# KiCad board panel.kicad_pcb (continued)
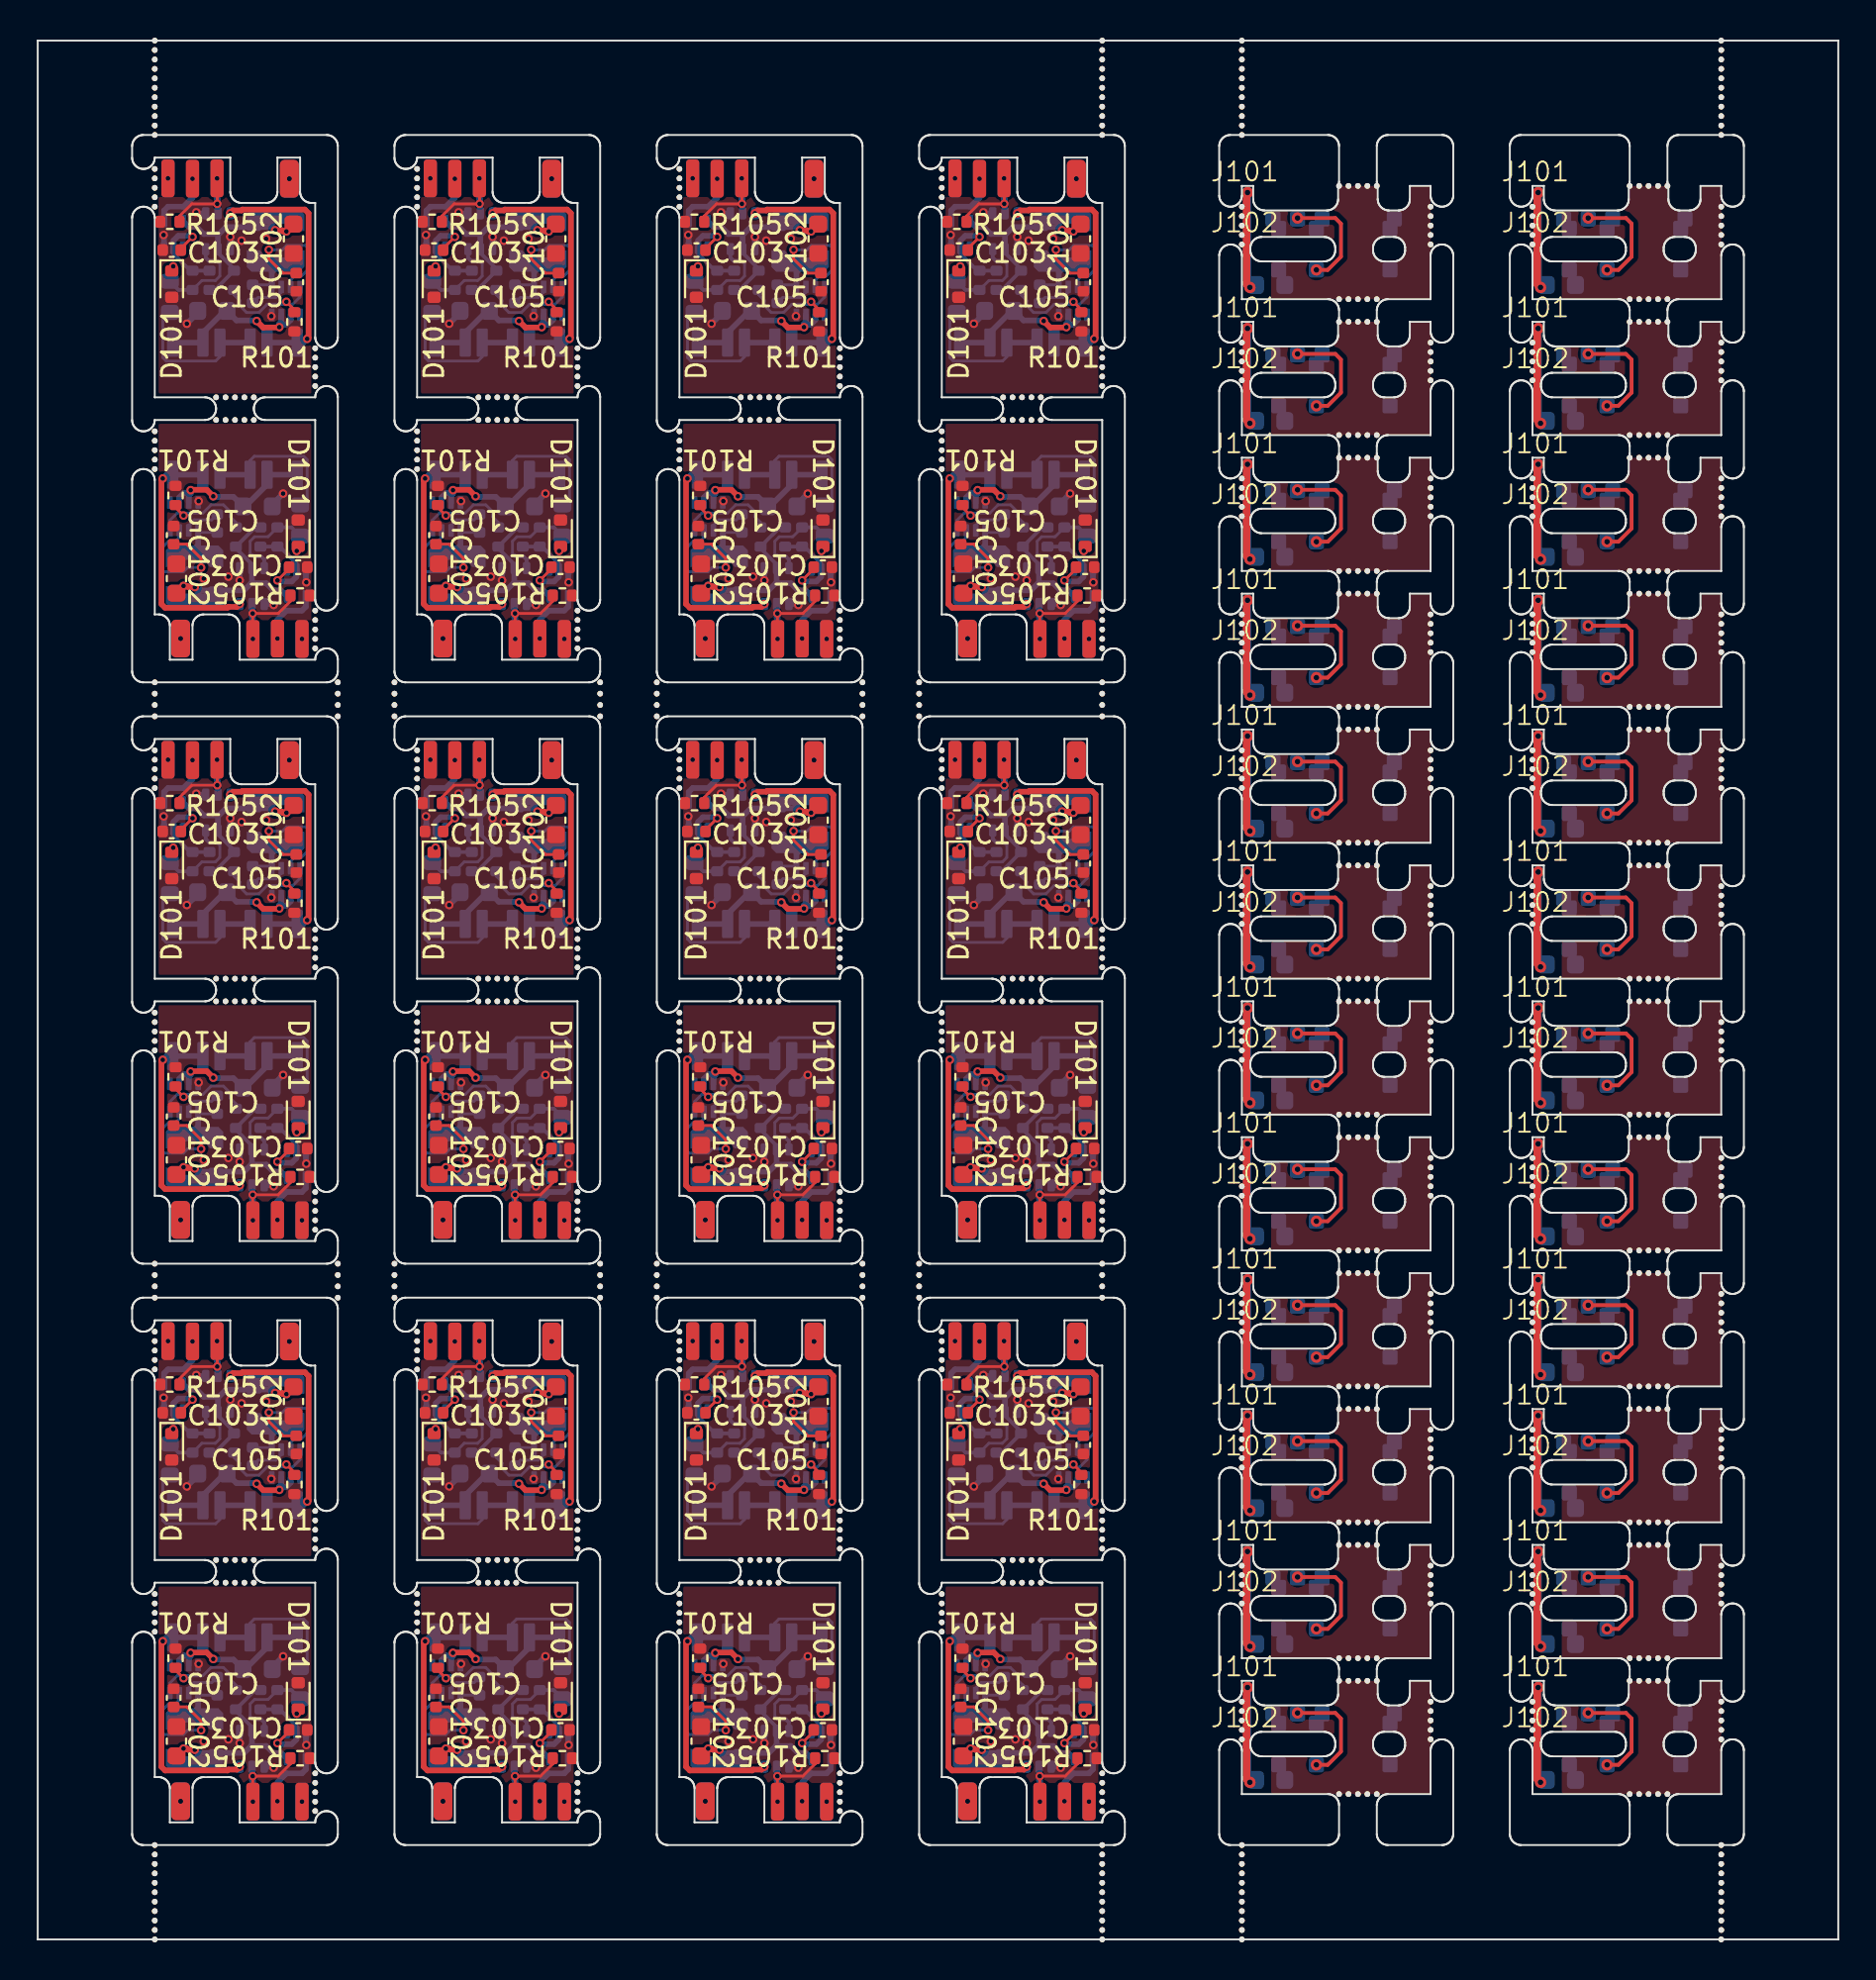
[diagram p0: board, top side]
## Routing (per net, layer and track width the routed paths; a pad name or vN(x,y) marks a point on that pad's centre or on a via; arc(x,y) is an arc through that point) (continued)
Board_0-Board_0-Board_23-/BST: length 2
  Bottom w0.15: U103#9.6 49.7,13.33 49.98,13.61 50.92,13.61 C104#12.1
Board_0-Board_0-Board_23-/DBUS: length 8.1
  Bottom w0.15: R103#7.1 55.98,14.78 55.98,16.79 55.79,16.98 53.18,16.98 52.95,16.75 H102#2.1
  Bottom w0.3: H102#2.1 H102#2.1
Board_0-Board_0-Board_23-/DBUS_R: length 6.3
  Top w0.15: 55.5,12.04 v1(55.42,11.96)
  Bottom w0.15: v1(55.42,11.96) 55.58,11.96 55.6,11.98 R103#7.2 55.56,12.71 ; R102#10.1 53.9,12.71 53.19,12.71 52.95,12.48 52.95,11.81 53.06,11.7 53.15,11.7
  Bottom w0.2: Q102#3.3 53.7,11.5 53.53,11.67 53.13,11.67 53.08,11.72 ; R103#7.2 55.14,13.21 R102#10.1
Board_0-Board_0-Board_23-/FB: length 5.9
  Top w0.15: R101#22.1 49,14.26 v1(49.43,13.84)
  Bottom w0.15: U103#9.8 48.7,13.58 49.09,13.97 50.45,13.97 50.88,14.41 51.54,14.41 51.9,14.04 51.9,13.77 52.2,13.47 R104#16.2
Board_0-Board_0-Board_23-/IN: length 5.1
  Top w0.15: v1(54.4,10.4) 55.02,11.02 C103#11.1
  Bottom w0.2: U102#13.2 55.41,11.3 54.52,12.19 R102#10.2 R106#23.2
  Bottom w0.3: U102#13.2 55.41,10.59 55.16,10.34 54.46,10.34 v1(54.4,10.4)
Board_0-Board_0-Board_23-/IO4: length 5.9
  Top w0.15: R105#6.1 55.09,9.3 54.44,8.65 v1(53.09,8.65) ; 53.09,8.75 v1(53.09,8.65) ; v1(53.09,8.65) 53.09,7.31 v1(53.1,7.3)
  Bottom w0.3: Q102#3.5 53.05,8.45 53.1,8.4 v1(53.1,7.3)
Board_0-Board_0-Board_23-/IO5: length 3.3
  Bottom w0.3: U102#13.4 55.91,9.01 55.7,8.8 54.88,8.8 54.4,8.32 v1(54.4,7.32)
Board_0-Board_0-Board_23-/SW: length 2.3
  Bottom w0.15: U103#9.5 50.31,12.94 C104#12.2
  Bottom w0.3: U103#9.5 50.2,12.27 50,12.07 L101#15.1
Board_0-Board_0-Board_23-/V+: length 8.7
  Top w0.3: v1(49.8,15.18) 49.82,15.2 50.66,15.2 v1(51,14.86)
  Bottom w0.3: U103#9.3 49.7,14.9 49.8,15 v1(49.8,15.18) 49.66,15.04 49.44,15.04 49.2,14.8 U103#9.2 ; H101#24.1 H101#24.1 53.85,15.47 52.7,14.32 C101#22.1 52.07,14.83 51.03,14.83 v1(51,14.86)
Board_0-Board_0-Board_23-/V-: length 13.2
  Top w0.3: v1(48.33,15.8) 48.25,15.73 48.25,9.15 48.45,8.95 51.75,8.95 51.8,9 52.25,9 v1(52.4,9.15)
  Bottom w0.3: v1(48.33,15.8) 48.52,16 H103#12.1 H103#12.1
Board_0-Board_0-Board_23-GND: length 2.9
  Bottom w0.2: v1(50.23,14.6) 50.2,14.57 U103#9.4
  Bottom w0.3: Q102#3.4 54.15,9.15 v1(54.2,9.1) ; v1(54.7,15) 54.13,14.42 C101#22.2 ; v1(55.93,10.3) 55.91,10.32 U102#13.3 ; Q102#3.1 v1(52.4,10.4)
  vias: v1(50.5,10.5) v1(51.8,10.6) v1(55.7,7.3)
Board_0-Board_0-Board_23-Net-(U103-SS): length 7.2
  Top w0.15: v1(50.35,11.08) 50.35,11.57 49.6,12.32 C105#15.1
  Bottom w0.15: v1(50.35,11.08) 49.64,11.08 49.42,10.86 48.4,10.86 48.24,11.01 48.24,12.09 48.63,12.48 49,12.48 49.2,12.68 U103#9.7
Board_0-Board_1-Board_0-/IO5: length 6
  Top w0.2: v2(67.75,88.45) 68.35,88.45 69.05,89.15 69.05,90.9 68.75,91.2 v2(66.75,91.2)
  Bottom w0.2: J101#14.2 v2(66.75,91.2) ; 66.8,91.1 66.7,91.3
Board_0-Board_1-Board_0-unconnected-(AE101-Shield-Pad2): length 11
  Top w0.4: 64.05,92.6 64.05,87.7 64.3,87.45
  Bottom w0.4: 64.05,87.72 64.05,87.7 ; 64.05,87.7 64.3,87.45 ; 64.05,87.7 64.1,87.75 64.1,89.21 64.04,89.27 64.04,89.83 64.1,89.89 v2(64.1,92.55) 64.05,92.6 ; AE101#9.2 64.35,87.65 v2(64.23,87.52)
Board_0-Board_1-Board_1-/IO5: length 6
  Top w0.2: v2(83.15,88.45) 83.75,88.45 84.45,89.15 84.45,90.9 84.15,91.2 v2(82.15,91.2)
  Bottom w0.2: J101#5.2 v2(82.15,91.2) ; 82.2,91.1 82.1,91.3
Board_0-Board_1-Board_1-unconnected-(AE101-Shield-Pad2): length 11
  Top w0.4: 79.7,87.45 79.45,87.7 79.45,92.6
  Bottom w0.4: 79.45,92.6 v2(79.5,92.55) 79.5,89.89 79.44,89.83 79.44,89.27 79.5,89.21 79.5,87.75 79.45,87.7 ; 79.45,87.7 79.7,87.45 ; 79.45,87.7 79.45,87.72 ; v2(79.63,87.52) 79.75,87.65 AE101#4.2
Board_0-Board_1-Board_2-/IO5: length 6
  Top w0.2: v2(67.75,81.25) 68.35,81.25 69.05,81.95 69.05,83.7 68.75,84 v2(66.75,84)
  Bottom w0.2: 66.8,83.9 66.7,84.1 ; J101#19.2 v2(66.75,84)
Board_0-Board_1-Board_2-unconnected-(AE101-Shield-Pad2): length 11
  Top w0.4: 64.05,85.4 64.05,80.5 64.3,80.25
  Bottom w0.4: 64.05,80.52 64.05,80.5 ; 64.05,80.5 64.3,80.25 ; 64.05,80.5 64.1,80.55 64.1,82.01 64.04,82.07 64.04,82.63 64.1,82.69 v2(64.1,85.35) 64.05,85.4 ; v2(64.23,80.32) 64.35,80.45 AE101#22.2
Board_0-Board_1-Board_3-/IO5: length 6
  Top w0.2: v2(82.15,84) 84.15,84 84.45,83.7 84.45,81.95 83.75,81.25 v2(83.15,81.25)
  Bottom w0.2: 82.2,83.9 82.1,84.1 ; J101#3.2 v2(82.15,84)
Board_0-Board_1-Board_3-unconnected-(AE101-Shield-Pad2): length 11
  Top w0.4: 79.45,85.4 79.45,80.5 79.7,80.25
  Bottom w0.4: 79.45,80.52 79.45,80.5 ; 79.45,80.5 79.7,80.25 ; 79.45,80.5 79.5,80.55 79.5,82.01 79.44,82.07 79.44,82.63 79.5,82.69 v2(79.5,85.35) 79.45,85.4 ; AE101#11.2 79.75,80.45 v2(79.63,80.32)
Board_0-Board_1-Board_4-/IO5: length 6
  Top w0.2: v2(67.75,74.05) 68.35,74.05 69.05,74.75 69.05,76.5 68.75,76.8 v2(66.75,76.8)
  Bottom w0.2: J101#21.2 v2(66.75,76.8) ; 66.8,76.7 66.7,76.9
Board_0-Board_1-Board_4-unconnected-(AE101-Shield-Pad2): length 11
  Top w0.4: 64.3,73.05 64.05,73.3 64.05,78.2
  Bottom w0.4: v2(64.23,73.12) 64.35,73.25 AE101#19.2 ; 64.05,73.32 64.05,73.3 ; 64.05,73.3 64.1,73.35 64.1,74.81 64.04,74.87 64.04,75.43 64.1,75.49 v2(64.1,78.15) 64.05,78.2 ; 64.05,73.3 64.3,73.05
Board_0-Board_1-Board_5-/IO5: length 6
  Top w0.2: v2(83.15,74.05) 83.75,74.05 84.45,74.75 84.45,76.5 84.15,76.8 v2(82.15,76.8)
  Bottom w0.2: 82.2,76.7 82.1,76.9 ; J101.2 v2(82.15,76.8)
Board_0-Board_1-Board_5-unconnected-(AE101-Shield-Pad2): length 11
  Top w0.4: 79.7,73.05 79.45,73.3 79.45,78.2
  Bottom w0.4: 79.45,73.3 79.7,73.05 ; 79.45,73.3 79.5,73.35 79.5,74.81 79.44,74.87 79.44,75.43 79.5,75.49 v2(79.5,78.15) 79.45,78.2 ; 79.45,73.3 79.45,73.32 ; AE101#3.2 79.75,73.25 v2(79.63,73.12)
Board_0-Board_1-Board_6-/IO5: length 6
  Top w0.2: v2(66.75,69.6) 68.75,69.6 69.05,69.3 69.05,67.55 68.35,66.85 v2(67.75,66.85)
  Bottom w0.2: 66.8,69.5 66.7,69.7 ; J101#13.2 v2(66.75,69.6)
Board_0-Board_1-Board_6-unconnected-(AE101-Shield-Pad2): length 11
  Top w0.4: 64.3,65.85 64.05,66.1 64.05,71
  Bottom w0.4: 64.05,66.12 64.05,66.1 ; 64.05,66.1 64.1,66.15 64.1,67.61 64.04,67.67 64.04,68.23 64.1,68.29 v2(64.1,70.95) 64.05,71 ; 64.05,66.1 64.3,65.85 ; AE101#24.2 64.35,66.05 v2(64.23,65.92)
Board_0-Board_1-Board_7-/IO5: length 6
  Top w0.2: v2(83.15,66.85) 83.75,66.85 84.45,67.55 84.45,69.3 84.15,69.6 v2(82.15,69.6)
  Bottom w0.2: 82.2,69.5 82.1,69.7 ; J101#15.2 v2(82.15,69.6)
Board_0-Board_1-Board_7-unconnected-(AE101-Shield-Pad2): length 11
  Top w0.4: 79.7,65.85 79.45,66.1 79.45,71
  Bottom w0.4: 79.45,66.1 79.5,66.15 79.5,67.61 79.44,67.67 79.44,68.23 79.5,68.29 v2(79.5,70.95) 79.45,71 ; 79.45,66.1 79.45,66.12 ; 79.45,66.1 79.7,65.85 ; AE101#5.2 79.75,66.05 v2(79.63,65.92)
Board_0-Board_1-Board_8-/IO5: length 6
  Top w0.2: v2(67.75,59.65) 68.35,59.65 69.05,60.35 69.05,62.1 68.75,62.4 v2(66.75,62.4)
  Bottom w0.2: J101#7.2 v2(66.75,62.4) ; 66.8,62.3 66.7,62.5
Board_0-Board_1-Board_8-unconnected-(AE101-Shield-Pad2): length 11
  Top w0.4: 64.05,63.8 64.05,58.9 64.3,58.65
  Bottom w0.4: v2(64.23,58.72) 64.35,58.85 AE101#18.2 ; 64.05,63.8 v2(64.1,63.75) 64.1,61.09 64.04,61.03 64.04,60.47 64.1,60.41 64.1,58.95 64.05,58.9 ; 64.05,58.92 64.05,58.9 ; 64.05,58.9 64.3,58.65
Board_0-Board_1-Board_9-/IO5: length 6
  Top w0.2: v2(82.15,62.4) 84.15,62.4 84.45,62.1 84.45,60.35 83.75,59.65 v2(83.15,59.65)
  Bottom w0.2: 82.2,62.3 82.1,62.5 ; J101#10.2 v2(82.15,62.4)
Board_0-Board_1-Board_9-unconnected-(AE101-Shield-Pad2): length 11
  Top w0.4: 79.7,58.65 79.45,58.9 79.45,63.8
  Bottom w0.4: 79.45,58.9 79.5,58.95 79.5,60.41 79.44,60.47 79.44,61.03 79.5,61.09 v2(79.5,63.75) 79.45,63.8 ; 79.45,58.9 79.7,58.65 ; 79.45,58.9 79.45,58.92 ; v2(79.63,58.72) 79.75,58.85 AE101#10.2
Board_0-Board_1-Board_10-/IO5: length 6
  Top w0.2: v2(66.75,55.2) 68.75,55.2 69.05,54.9 69.05,53.15 68.35,52.45 v2(67.75,52.45)
  Bottom w0.2: J101#22.2 v2(66.75,55.2) ; 66.8,55.1 66.7,55.3
Board_0-Board_1-Board_10-unconnected-(AE101-Shield-Pad2): length 11
  Top w0.4: 64.05,56.6 64.05,51.7 64.3,51.45
  Bottom w0.4: 64.05,51.7 64.1,51.75 64.1,53.21 64.04,53.27 64.04,53.83 64.1,53.89 v2(64.1,56.55) 64.05,56.6 ; 64.05,51.7 64.3,51.45 ; 64.05,51.7 64.05,51.72 ; v2(64.23,51.52) 64.35,51.65 AE101#12.2
Board_0-Board_1-Board_11-/IO5: length 6
  Top w0.2: v2(83.15,52.45) 83.75,52.45 84.45,53.15 84.45,54.9 84.15,55.2 v2(82.15,55.2)
  Bottom w0.2: J101#4.2 v2(82.15,55.2) ; 82.2,55.1 82.1,55.3
Board_0-Board_1-Board_11-unconnected-(AE101-Shield-Pad2): length 11
  Top w0.4: 79.7,51.45 79.45,51.7 79.45,56.6
  Bottom w0.4: 79.45,51.7 79.7,51.45 ; 79.45,51.7 79.5,51.75 79.5,53.21 79.44,53.27 79.44,53.83 79.5,53.89 v2(79.5,56.55) 79.45,56.6 ; 79.45,51.7 79.45,51.72 ; v2(79.63,51.52) 79.75,51.65 AE101.2
Board_0-Board_1-Board_12-/IO5: length 6
  Top w0.2: v2(66.75,48) 68.75,48 69.05,47.7 69.05,45.95 68.35,45.25 v2(67.75,45.25)
  Bottom w0.2: 66.8,47.9 66.7,48.1 ; J101#12.2 v2(66.75,48)
Board_0-Board_1-Board_12-unconnected-(AE101-Shield-Pad2): length 11
  Top w0.4: 64.3,44.25 64.05,44.5 64.05,49.4
  Bottom w0.4: 64.05,44.5 64.1,44.55 64.1,46.01 64.04,46.07 64.04,46.63 64.1,46.69 v2(64.1,49.35) 64.05,49.4 ; 64.05,44.5 64.3,44.25 ; 64.05,44.5 64.05,44.52 ; v2(64.23,44.32) 64.35,44.45 AE101#21.2
Board_0-Board_1-Board_13-/IO5: length 6
  Top w0.2: v2(83.15,45.25) 83.75,45.25 84.45,45.95 84.45,47.7 84.15,48 v2(82.15,48)
  Bottom w0.2: J101#18.2 v2(82.15,48) ; 82.2,47.9 82.1,48.1
Board_0-Board_1-Board_13-unconnected-(AE101-Shield-Pad2): length 11
  Top w0.4: 79.45,49.4 79.45,44.5 79.7,44.25
  Bottom w0.4: AE101#6.2 79.75,44.45 v2(79.63,44.32) ; 79.45,49.4 v2(79.5,49.35) 79.5,46.69 79.44,46.63 79.44,46.07 79.5,46.01 79.5,44.55 79.45,44.5 ; 79.45,44.52 79.45,44.5 ; 79.45,44.5 79.7,44.25
Board_0-Board_1-Board_14-/IO5: length 6
  Top w0.2: v2(66.75,40.8) 68.75,40.8 69.05,40.5 69.05,38.75 68.35,38.05 v2(67.75,38.05)
  Bottom w0.2: J101#24.2 v2(66.75,40.8) ; 66.8,40.7 66.7,40.9
Board_0-Board_1-Board_14-unconnected-(AE101-Shield-Pad2): length 11
  Top w0.4: 64.3,37.05 64.05,37.3 64.05,42.2
  Bottom w0.4: 64.05,42.2 v2(64.1,42.15) 64.1,39.49 64.04,39.43 64.04,38.87 64.1,38.81 64.1,37.35 64.05,37.3 ; AE101#8.2 64.35,37.25 v2(64.23,37.12) ; 64.05,37.32 64.05,37.3 ; 64.05,37.3 64.3,37.05
Board_0-Board_1-Board_15-/IO5: length 6
  Top w0.2: v2(82.15,40.8) 84.15,40.8 84.45,40.5 84.45,38.75 83.75,38.05 v2(83.15,38.05)
  Bottom w0.2: 82.2,40.7 82.1,40.9 ; J101#17.2 v2(82.15,40.8)
Board_0-Board_1-Board_15-unconnected-(AE101-Shield-Pad2): length 11
  Top w0.4: 79.45,42.2 79.45,37.3 79.7,37.05
  Bottom w0.4: 79.45,37.3 79.5,37.35 79.5,38.81 79.44,38.87 79.44,39.43 79.5,39.49 v2(79.5,42.15) 79.45,42.2 ; 79.45,37.3 79.45,37.32 ; 79.45,37.3 79.7,37.05 ; AE101#7.2 79.75,37.25 v2(79.63,37.12)
Board_0-Board_1-Board_16-/IO5: length 6
  Top w0.2: v2(67.75,30.85) 68.35,30.85 69.05,31.55 69.05,33.3 68.75,33.6 v2(66.75,33.6)
  Bottom w0.2: 66.8,33.5 66.7,33.7 ; J101#23.2 v2(66.75,33.6)
Board_0-Board_1-Board_16-unconnected-(AE101-Shield-Pad2): length 11
  Top w0.4: 64.05,35 64.05,30.1 64.3,29.85
  Bottom w0.4: 64.05,35 v2(64.1,34.95) 64.1,32.29 64.04,32.23 64.04,31.67 64.1,31.61 64.1,30.15 64.05,30.1 ; AE101#15.2 64.35,30.05 v2(64.23,29.92) ; 64.05,30.12 64.05,30.1 ; 64.05,30.1 64.3,29.85
Board_0-Board_1-Board_17-/IO5: length 6
  Top w0.2: v2(83.15,30.85) 83.75,30.85 84.45,31.55 84.45,33.3 84.15,33.6 v2(82.15,33.6)
  Bottom w0.2: J101#2.2 v2(82.15,33.6) ; 82.2,33.5 82.1,33.7
Board_0-Board_1-Board_17-unconnected-(AE101-Shield-Pad2): length 11
  Top w0.4: 79.7,29.85 79.45,30.1 79.45,35
  Bottom w0.4: 79.45,30.1 79.7,29.85 ; 79.45,30.1 79.5,30.15 79.5,31.61 79.44,31.67 79.44,32.23 79.5,32.29 v2(79.5,34.95) 79.45,35 ; 79.45,30.1 79.45,30.12 ; v2(79.63,29.92) 79.75,30.05 AE101#2.2
Board_0-Board_1-Board_18-/IO5: length 6
  Top w0.2: v2(67.75,23.65) 68.35,23.65 69.05,24.35 69.05,26.1 68.75,26.4 v2(66.75,26.4)
  Bottom w0.2: 66.8,26.3 66.7,26.5 ; J101#9.2 v2(66.75,26.4)
Board_0-Board_1-Board_18-unconnected-(AE101-Shield-Pad2): length 11
  Top w0.4: 64.05,27.8 64.05,22.9 64.3,22.65
  Bottom w0.4: 64.05,22.92 64.05,22.9 ; 64.05,22.9 64.3,22.65 ; 64.05,22.9 64.1,22.95 64.1,24.41 64.04,24.47 64.04,25.03 64.1,25.09 v2(64.1,27.75) 64.05,27.8 ; v2(64.23,22.72) 64.35,22.85 AE101#20.2
Board_0-Board_1-Board_19-/IO5: length 6
  Top w0.2: v2(82.15,26.4) 84.15,26.4 84.45,26.1 84.45,24.35 83.75,23.65 v2(83.15,23.65)
  Bottom w0.2: J101#6.2 v2(82.15,26.4) ; 82.2,26.3 82.1,26.5
Board_0-Board_1-Board_19-unconnected-(AE101-Shield-Pad2): length 11
  Top w0.4: 79.7,22.65 79.45,22.9 79.45,27.8
  Bottom w0.4: 79.45,22.9 79.5,22.95 79.5,24.41 79.44,24.47 79.44,25.03 79.5,25.09 v2(79.5,27.75) 79.45,27.8 ; 79.45,22.9 79.7,22.65 ; 79.45,22.9 79.45,22.92 ; AE101#16.2 79.75,22.85 v2(79.63,22.72)
Board_0-Board_1-Board_20-/IO5: length 6
  Top w0.2: v2(67.75,16.45) 68.35,16.45 69.05,17.15 69.05,18.9 68.75,19.2 v2(66.75,19.2)
  Bottom w0.2: J101#16.2 v2(66.75,19.2) ; 66.8,19.1 66.7,19.3
Board_0-Board_1-Board_20-unconnected-(AE101-Shield-Pad2): length 11
  Top w0.4: 64.05,20.6 64.05,15.7 64.3,15.45
  Bottom w0.4: 64.05,15.72 64.05,15.7 ; 64.05,15.7 64.3,15.45 ; 64.05,15.7 64.1,15.75 64.1,17.21 64.04,17.27 64.04,17.83 64.1,17.89 v2(64.1,20.55) 64.05,20.6 ; AE101#14.2 64.35,15.65 v2(64.23,15.52)
Board_0-Board_1-Board_21-/IO5: length 6
  Top w0.2: v2(82.15,19.2) 84.15,19.2 84.45,18.9 84.45,17.15 83.75,16.45 v2(83.15,16.45)
  Bottom w0.2: 82.2,19.1 82.1,19.3 ; J101#20.2 v2(82.15,19.2)
Board_0-Board_1-Board_21-unconnected-(AE101-Shield-Pad2): length 11
  Top w0.4: 79.7,15.45 79.45,15.7 79.45,20.6
  Bottom w0.4: v2(79.63,15.52) 79.75,15.65 AE101#17.2 ; 79.45,15.7 79.7,15.45 ; 79.45,15.7 79.5,15.75 79.5,17.21 79.44,17.27 79.44,17.83 79.5,17.89 v2(79.5,20.55) 79.45,20.6 ; 79.45,15.7 79.45,15.72
Board_0-Board_1-Board_22-/IO5: length 6
  Top w0.2: v2(67.75,9.25) 68.35,9.25 69.05,9.95 69.05,11.7 68.75,12 v2(66.75,12)
  Bottom w0.2: J101#11.2 v2(66.75,12) ; 66.8,11.9 66.7,12.1
Board_0-Board_1-Board_22-unconnected-(AE101-Shield-Pad2): length 11
  Top w0.4: 64.3,8.25 64.05,8.5 64.05,13.4
  Bottom w0.4: 64.05,8.5 64.3,8.25 ; 64.05,8.5 64.05,8.52 ; 64.05,8.5 64.1,8.55 64.1,10.01 64.04,10.07 64.04,10.63 64.1,10.69 v2(64.1,13.35) 64.05,13.4 ; v2(64.23,8.32) 64.35,8.45 AE101#23.2
Board_0-Board_1-Board_23-/IO5: length 6
  Top w0.2: v2(83.15,9.25) 83.75,9.25 84.45,9.95 84.45,11.7 84.15,12 v2(82.15,12)
  Bottom w0.2: J101#8.2 v2(82.15,12) ; 82.2,11.9 82.1,12.1
Board_0-Board_1-Board_23-unconnected-(AE101-Shield-Pad2): length 11
  Top w0.4: 79.45,13.4 79.45,8.5 79.7,8.25
  Bottom w0.4: 79.45,8.5 79.5,8.55 79.5,10.01 79.44,10.07 79.44,10.63 79.5,10.69 v2(79.5,13.35) 79.45,13.4 ; 79.45,8.5 79.45,8.52 ; 79.45,8.5 79.7,8.25 ; v2(79.63,8.32) 79.75,8.45 AE101#13.2

## Copper pours and planes (outline as drawn; the poured copper is in the pictures)
Board_0-Board_0-Board_0-+3V3 on Bottom: 14.7,95 14.7,90.3 11.3,90.3 11.3,95
Board_0-Board_0-Board_0-/SW on Bottom: 11.1,89.6 14.7,89.6 14.7,88.1 11.1,88.1
Board_0-Board_0-Board_0-GND on Top: 6.2,81.7 14.7,81.7 14.7,92.31 6.2,92.31
Board_0-Board_0-Board_1-+3V3 on Bottom: 28.6,95 28.6,90.3 25.2,90.3 25.2,95
Board_0-Board_0-Board_1-/SW on Bottom: 25,89.6 28.6,89.6 28.6,88.1 25,88.1
Board_0-Board_0-Board_1-GND on Top: 20.1,81.7 28.6,81.7 28.6,92.31 20.1,92.31
Board_0-Board_0-Board_2-+3V3 on Bottom: 42.5,95 42.5,90.3 39.1,90.3 39.1,95
Board_0-Board_0-Board_2-/SW on Bottom: 38.9,89.6 42.5,89.6 42.5,88.1 38.9,88.1
Board_0-Board_0-Board_2-GND on Top: 34,81.7 42.5,81.7 42.5,92.31 34,92.31
Board_0-Board_0-Board_3-+3V3 on Bottom: 56.4,95 56.4,90.3 53,90.3 53,95
Board_0-Board_0-Board_3-/SW on Bottom: 52.8,89.6 56.4,89.6 56.4,88.1 52.8,88.1
Board_0-Board_0-Board_3-GND on Top: 47.9,81.7 56.4,81.7 56.4,92.31 47.9,92.31
Board_0-Board_0-Board_4-+3V3 on Bottom: 6.2,67.2 6.2,71.9 9.6,71.9 9.6,67.2
Board_0-Board_0-Board_4-/SW on Bottom: 9.8,72.6 6.2,72.6 6.2,74.1 9.8,74.1
Board_0-Board_0-Board_4-GND on Top: 14.7,80.5 6.2,80.5 6.2,69.89 14.7,69.89
Board_0-Board_0-Board_5-+3V3 on Bottom: 20.1,67.2 20.1,71.9 23.5,71.9 23.5,67.2
Board_0-Board_0-Board_5-/SW on Bottom: 23.7,72.6 20.1,72.6 20.1,74.1 23.7,74.1
Board_0-Board_0-Board_5-GND on Top: 28.6,80.5 20.1,80.5 20.1,69.89 28.6,69.89
Board_0-Board_0-Board_6-+3V3 on Bottom: 34,67.2 34,71.9 37.4,71.9 37.4,67.2
Board_0-Board_0-Board_6-/SW on Bottom: 37.6,72.6 34,72.6 34,74.1 37.6,74.1
Board_0-Board_0-Board_6-GND on Top: 42.5,80.5 34,80.5 34,69.89 42.5,69.89
Board_0-Board_0-Board_7-+3V3 on Bottom: 47.9,67.2 47.9,71.9 51.3,71.9 51.3,67.2
Board_0-Board_0-Board_7-/SW on Bottom: 51.5,72.6 47.9,72.6 47.9,74.1 51.5,74.1
Board_0-Board_0-Board_7-GND on Top: 56.4,80.5 47.9,80.5 47.9,69.89 56.4,69.89
Board_0-Board_0-Board_8-+3V3 on Bottom: 14.7,64.2 14.7,59.5 11.3,59.5 11.3,64.2
Board_0-Board_0-Board_8-/SW on Bottom: 11.1,58.8 14.7,58.8 14.7,57.3 11.1,57.3
Board_0-Board_0-Board_8-GND on Top: 6.2,50.9 14.7,50.9 14.7,61.51 6.2,61.51
Board_0-Board_0-Board_9-+3V3 on Bottom: 28.6,64.2 28.6,59.5 25.2,59.5 25.2,64.2
Board_0-Board_0-Board_9-/SW on Bottom: 25,58.8 28.6,58.8 28.6,57.3 25,57.3
Board_0-Board_0-Board_9-GND on Top: 20.1,50.9 28.6,50.9 28.6,61.51 20.1,61.51
Board_0-Board_0-Board_10-+3V3 on Bottom: 42.5,64.2 42.5,59.5 39.1,59.5 39.1,64.2
Board_0-Board_0-Board_10-/SW on Bottom: 38.9,58.8 42.5,58.8 42.5,57.3 38.9,57.3
Board_0-Board_0-Board_10-GND on Top: 34,50.9 42.5,50.9 42.5,61.51 34,61.51
Board_0-Board_0-Board_11-+3V3 on Bottom: 56.4,64.2 56.4,59.5 53,59.5 53,64.2
Board_0-Board_0-Board_11-/SW on Bottom: 52.8,58.8 56.4,58.8 56.4,57.3 52.8,57.3
Board_0-Board_0-Board_11-GND on Top: 47.9,50.9 56.4,50.9 56.4,61.51 47.9,61.51
Board_0-Board_0-Board_12-+3V3 on Bottom: 6.2,36.4 6.2,41.1 9.6,41.1 9.6,36.4
Board_0-Board_0-Board_12-/SW on Bottom: 9.8,41.8 6.2,41.8 6.2,43.3 9.8,43.3
Board_0-Board_0-Board_12-GND on Top: 14.7,49.7 6.2,49.7 6.2,39.09 14.7,39.09
Board_0-Board_0-Board_13-+3V3 on Bottom: 20.1,36.4 20.1,41.1 23.5,41.1 23.5,36.4
Board_0-Board_0-Board_13-/SW on Bottom: 23.7,41.8 20.1,41.8 20.1,43.3 23.7,43.3
Board_0-Board_0-Board_13-GND on Top: 28.6,49.7 20.1,49.7 20.1,39.09 28.6,39.09
Board_0-Board_0-Board_14-+3V3 on Bottom: 34,36.4 34,41.1 37.4,41.1 37.4,36.4
Board_0-Board_0-Board_14-/SW on Bottom: 37.6,41.8 34,41.8 34,43.3 37.6,43.3
Board_0-Board_0-Board_14-GND on Top: 42.5,49.7 34,49.7 34,39.09 42.5,39.09
Board_0-Board_0-Board_15-+3V3 on Bottom: 47.9,36.4 47.9,41.1 51.3,41.1 51.3,36.4
Board_0-Board_0-Board_15-/SW on Bottom: 51.5,41.8 47.9,41.8 47.9,43.3 51.5,43.3
Board_0-Board_0-Board_15-GND on Top: 56.4,49.7 47.9,49.7 47.9,39.09 56.4,39.09
Board_0-Board_0-Board_16-+3V3 on Bottom: 14.7,33.4 14.7,28.7 11.3,28.7 11.3,33.4
Board_0-Board_0-Board_16-/SW on Bottom: 11.1,28 14.7,28 14.7,26.5 11.1,26.5
Board_0-Board_0-Board_16-GND on Top: 6.2,20.1 14.7,20.1 14.7,30.71 6.2,30.71
Board_0-Board_0-Board_17-+3V3 on Bottom: 28.6,33.4 28.6,28.7 25.2,28.7 25.2,33.4
Board_0-Board_0-Board_17-/SW on Bottom: 25,28 28.6,28 28.6,26.5 25,26.5
Board_0-Board_0-Board_17-GND on Top: 20.1,20.1 28.6,20.1 28.6,30.71 20.1,30.71
Board_0-Board_0-Board_18-+3V3 on Bottom: 42.5,33.4 42.5,28.7 39.1,28.7 39.1,33.4
Board_0-Board_0-Board_18-/SW on Bottom: 38.9,28 42.5,28 42.5,26.5 38.9,26.5
Board_0-Board_0-Board_18-GND on Top: 34,20.1 42.5,20.1 42.5,30.71 34,30.71
Board_0-Board_0-Board_19-+3V3 on Bottom: 56.4,33.4 56.4,28.7 53,28.7 53,33.4
Board_0-Board_0-Board_19-/SW on Bottom: 52.8,28 56.4,28 56.4,26.5 52.8,26.5
Board_0-Board_0-Board_19-GND on Top: 47.9,20.1 56.4,20.1 56.4,30.71 47.9,30.71
Board_0-Board_0-Board_20-+3V3 on Bottom: 6.2,5.6 6.2,10.3 9.6,10.3 9.6,5.6
Board_0-Board_0-Board_20-/SW on Bottom: 9.8,11 6.2,11 6.2,12.5 9.8,12.5
Board_0-Board_0-Board_20-GND on Top: 14.7,18.9 6.2,18.9 6.2,8.29 14.7,8.29
Board_0-Board_0-Board_21-+3V3 on Bottom: 20.1,5.6 20.1,10.3 23.5,10.3 23.5,5.6
Board_0-Board_0-Board_21-/SW on Bottom: 23.7,11 20.1,11 20.1,12.5 23.7,12.5
Board_0-Board_0-Board_21-GND on Top: 28.6,18.9 20.1,18.9 20.1,8.29 28.6,8.29
Board_0-Board_0-Board_22-+3V3 on Bottom: 34,5.6 34,10.3 37.4,10.3 37.4,5.6
Board_0-Board_0-Board_22-/SW on Bottom: 37.6,11 34,11 34,12.5 37.6,12.5
Board_0-Board_0-Board_22-GND on Top: 42.5,18.9 34,18.9 34,8.29 42.5,8.29
Board_0-Board_0-Board_23-+3V3 on Bottom: 47.9,5.6 47.9,10.3 51.3,10.3 51.3,5.6
Board_0-Board_0-Board_23-/SW on Bottom: 51.5,11 47.9,11 47.9,12.5 51.5,12.5
Board_0-Board_0-Board_23-GND on Top: 56.4,18.9 47.9,18.9 47.9,8.29 56.4,8.29
Board_0-Board_1-Board_0-unconnected-(AE101-Shield-Pad2) on Top, Bottom: 65.35,86.9 73.8,86.9 73.8,92.9 65.35,92.9
Board_0-Board_1-Board_1-unconnected-(AE101-Shield-Pad2) on Top, Bottom: 80.75,86.9 89.2,86.9 89.2,92.9 80.75,92.9
Board_0-Board_1-Board_2-unconnected-(AE101-Shield-Pad2) on Top, Bottom: 65.35,79.7 73.8,79.7 73.8,85.7 65.35,85.7
Board_0-Board_1-Board_3-unconnected-(AE101-Shield-Pad2) on Top, Bottom: 80.75,79.7 89.2,79.7 89.2,85.7 80.75,85.7
Board_0-Board_1-Board_4-unconnected-(AE101-Shield-Pad2) on Top, Bottom: 65.35,72.5 73.8,72.5 73.8,78.5 65.35,78.5
Board_0-Board_1-Board_5-unconnected-(AE101-Shield-Pad2) on Top, Bottom: 80.75,72.5 89.2,72.5 89.2,78.5 80.75,78.5
Board_0-Board_1-Board_6-unconnected-(AE101-Shield-Pad2) on Top, Bottom: 65.35,65.3 73.8,65.3 73.8,71.3 65.35,71.3
Board_0-Board_1-Board_7-unconnected-(AE101-Shield-Pad2) on Top, Bottom: 80.75,65.3 89.2,65.3 89.2,71.3 80.75,71.3
Board_0-Board_1-Board_8-unconnected-(AE101-Shield-Pad2) on Top, Bottom: 65.35,58.1 73.8,58.1 73.8,64.1 65.35,64.1
Board_0-Board_1-Board_9-unconnected-(AE101-Shield-Pad2) on Top, Bottom: 80.75,58.1 89.2,58.1 89.2,64.1 80.75,64.1
Board_0-Board_1-Board_10-unconnected-(AE101-Shield-Pad2) on Top, Bottom: 65.35,50.9 73.8,50.9 73.8,56.9 65.35,56.9
Board_0-Board_1-Board_11-unconnected-(AE101-Shield-Pad2) on Top, Bottom: 80.75,50.9 89.2,50.9 89.2,56.9 80.75,56.9
Board_0-Board_1-Board_12-unconnected-(AE101-Shield-Pad2) on Top, Bottom: 65.35,43.7 73.8,43.7 73.8,49.7 65.35,49.7
Board_0-Board_1-Board_13-unconnected-(AE101-Shield-Pad2) on Top, Bottom: 80.75,43.7 89.2,43.7 89.2,49.7 80.75,49.7
Board_0-Board_1-Board_14-unconnected-(AE101-Shield-Pad2) on Top, Bottom: 65.35,36.5 73.8,36.5 73.8,42.5 65.35,42.5
Board_0-Board_1-Board_15-unconnected-(AE101-Shield-Pad2) on Top, Bottom: 80.75,36.5 89.2,36.5 89.2,42.5 80.75,42.5
Board_0-Board_1-Board_16-unconnected-(AE101-Shield-Pad2) on Top, Bottom: 65.35,29.3 73.8,29.3 73.8,35.3 65.35,35.3
Board_0-Board_1-Board_17-unconnected-(AE101-Shield-Pad2) on Top, Bottom: 80.75,29.3 89.2,29.3 89.2,35.3 80.75,35.3
Board_0-Board_1-Board_18-unconnected-(AE101-Shield-Pad2) on Top, Bottom: 65.35,22.1 73.8,22.1 73.8,28.1 65.35,28.1
Board_0-Board_1-Board_19-unconnected-(AE101-Shield-Pad2) on Top, Bottom: 80.75,22.1 89.2,22.1 89.2,28.1 80.75,28.1
Board_0-Board_1-Board_20-unconnected-(AE101-Shield-Pad2) on Top, Bottom: 65.35,14.9 73.8,14.9 73.8,20.9 65.35,20.9
Board_0-Board_1-Board_21-unconnected-(AE101-Shield-Pad2) on Top, Bottom: 80.75,14.9 89.2,14.9 89.2,20.9 80.75,20.9
Board_0-Board_1-Board_22-unconnected-(AE101-Shield-Pad2) on Top, Bottom: 65.35,7.7 73.8,7.7 73.8,13.7 65.35,13.7
Board_0-Board_1-Board_23-unconnected-(AE101-Shield-Pad2) on Top, Bottom: 80.75,7.7 89.2,7.7 89.2,13.7 80.75,13.7
